# Altium PCB 10515.0500_Display_System（6拼版）_V1.0_20200907.PcbDoc (part 1 of 13)
Units mm, origin at the board's own origin, x right, y up, seen from the top; angles counter-clockwise.
Board outline 157 x 228.4 mm, 4 copper layers (Top Layer, Mid-Layer 1, Mid-Layer 2, Bottom Layer); 516 components, 0 nets, 1971 pads, 894 vias.
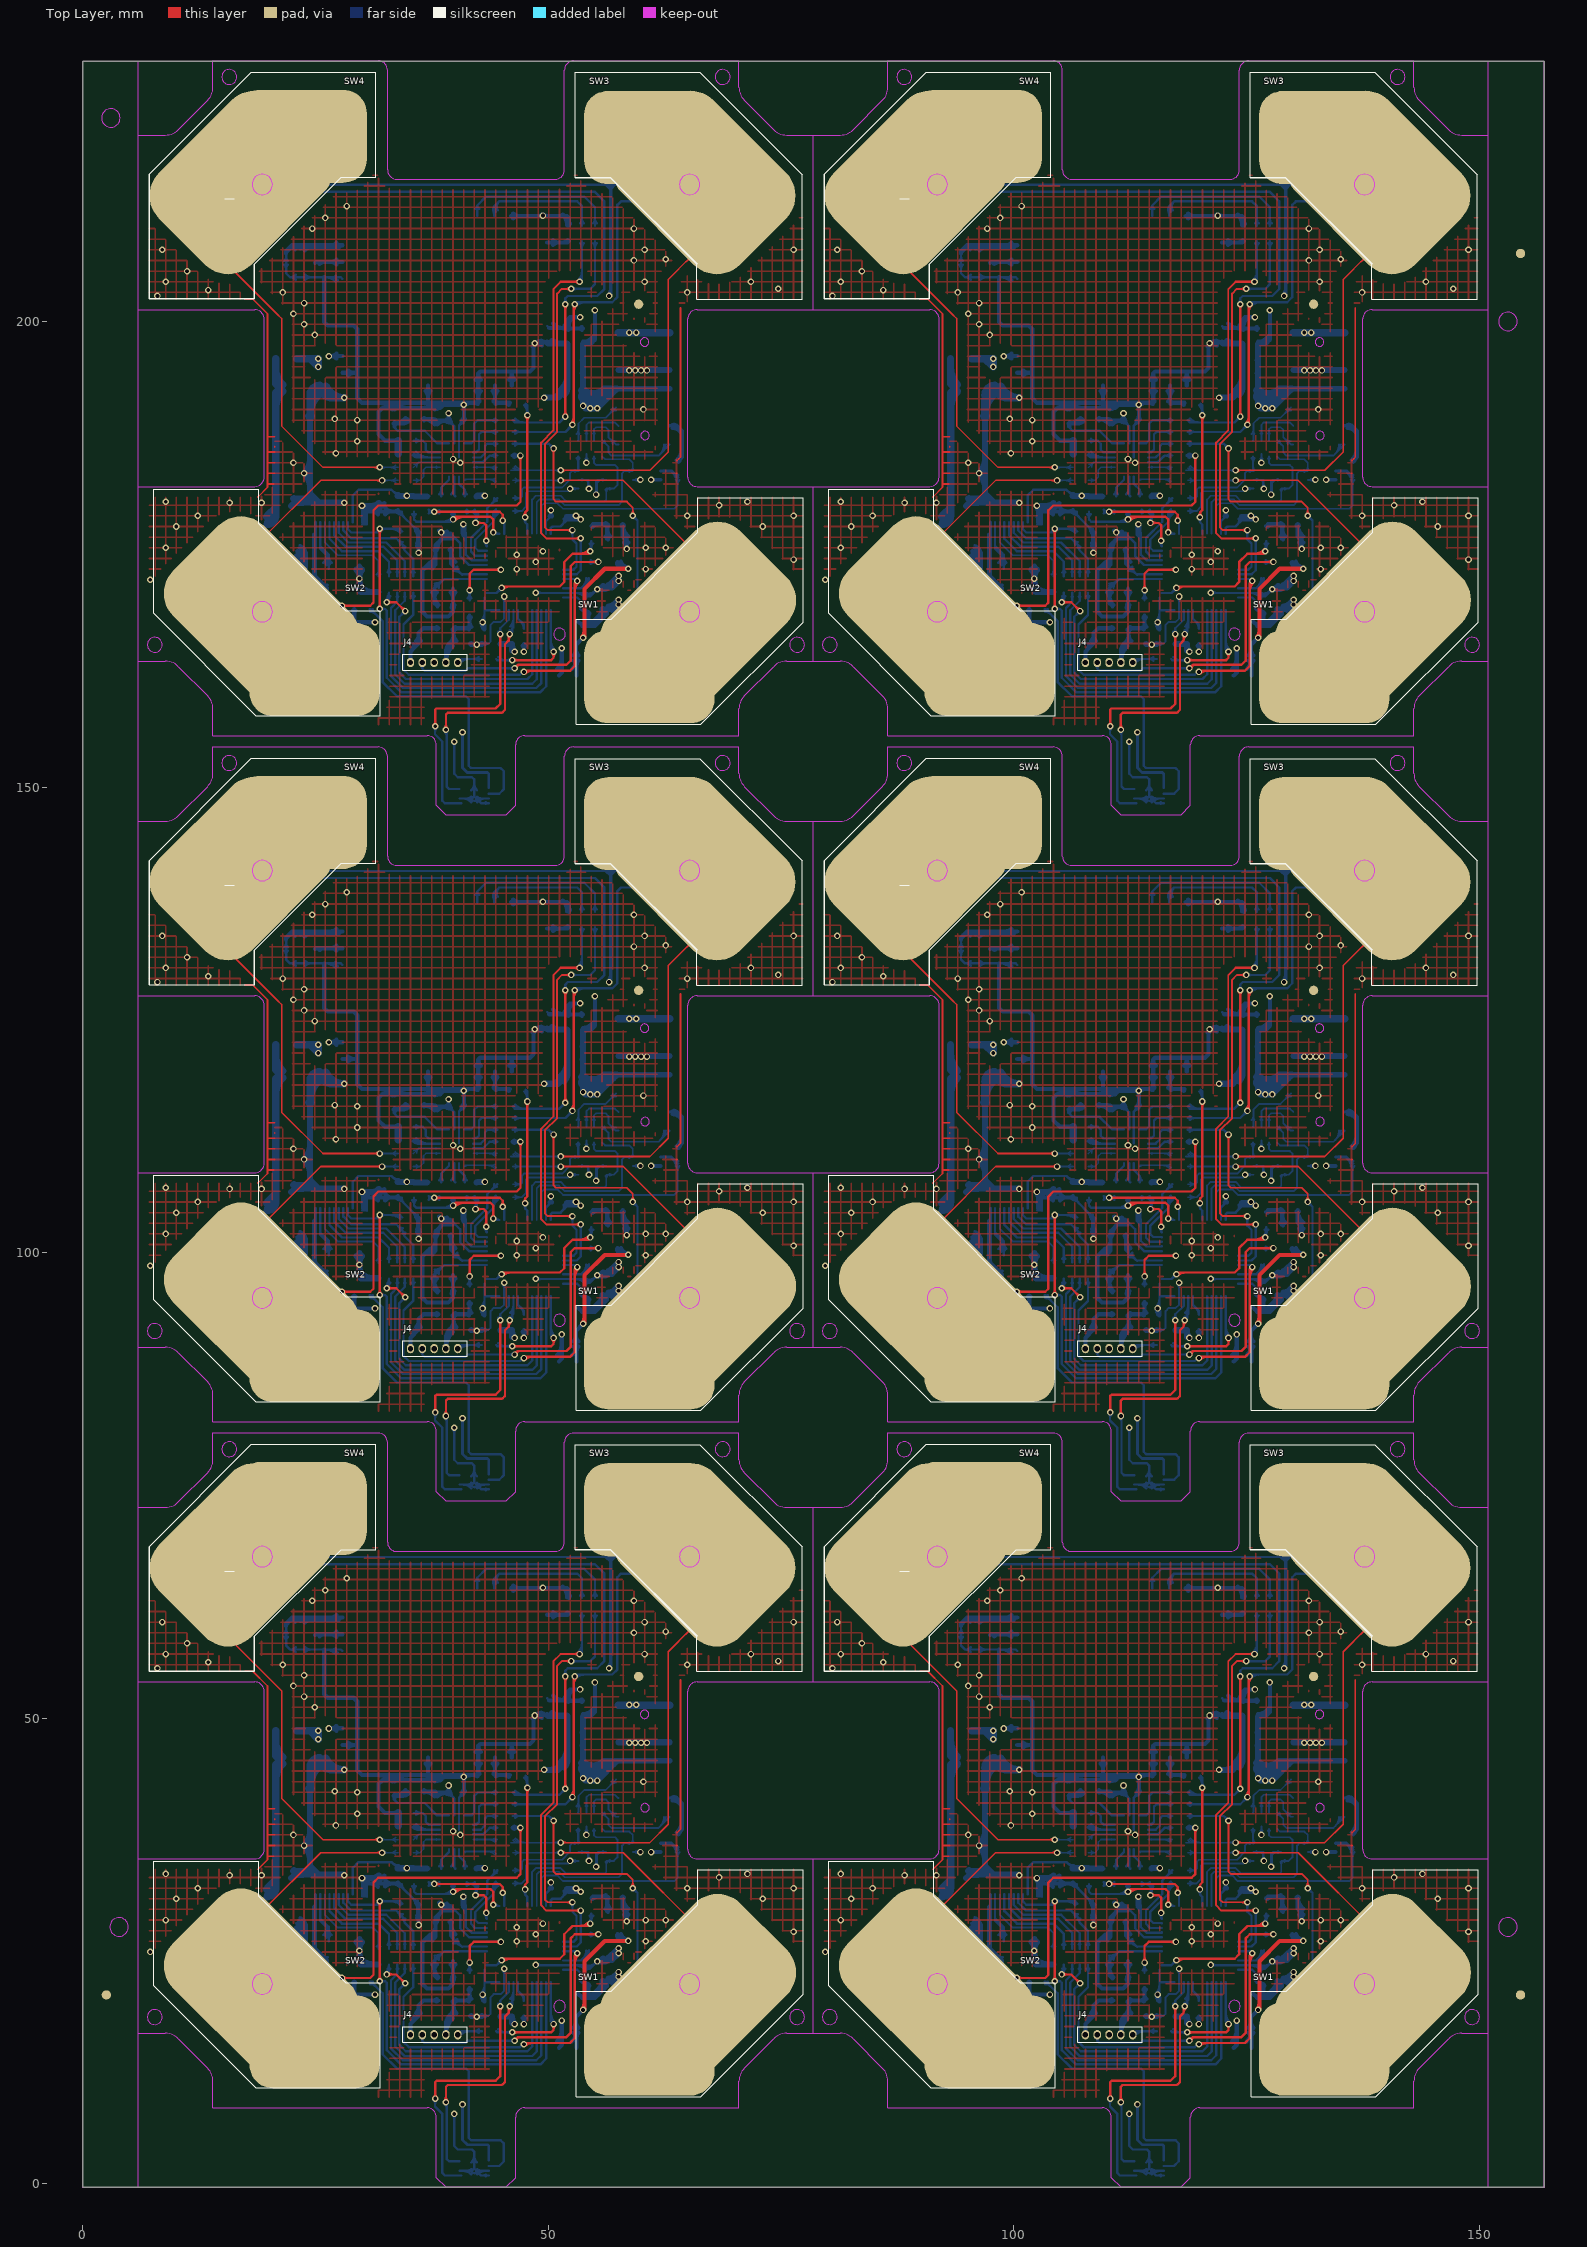
[diagram p0: Top Layer view]
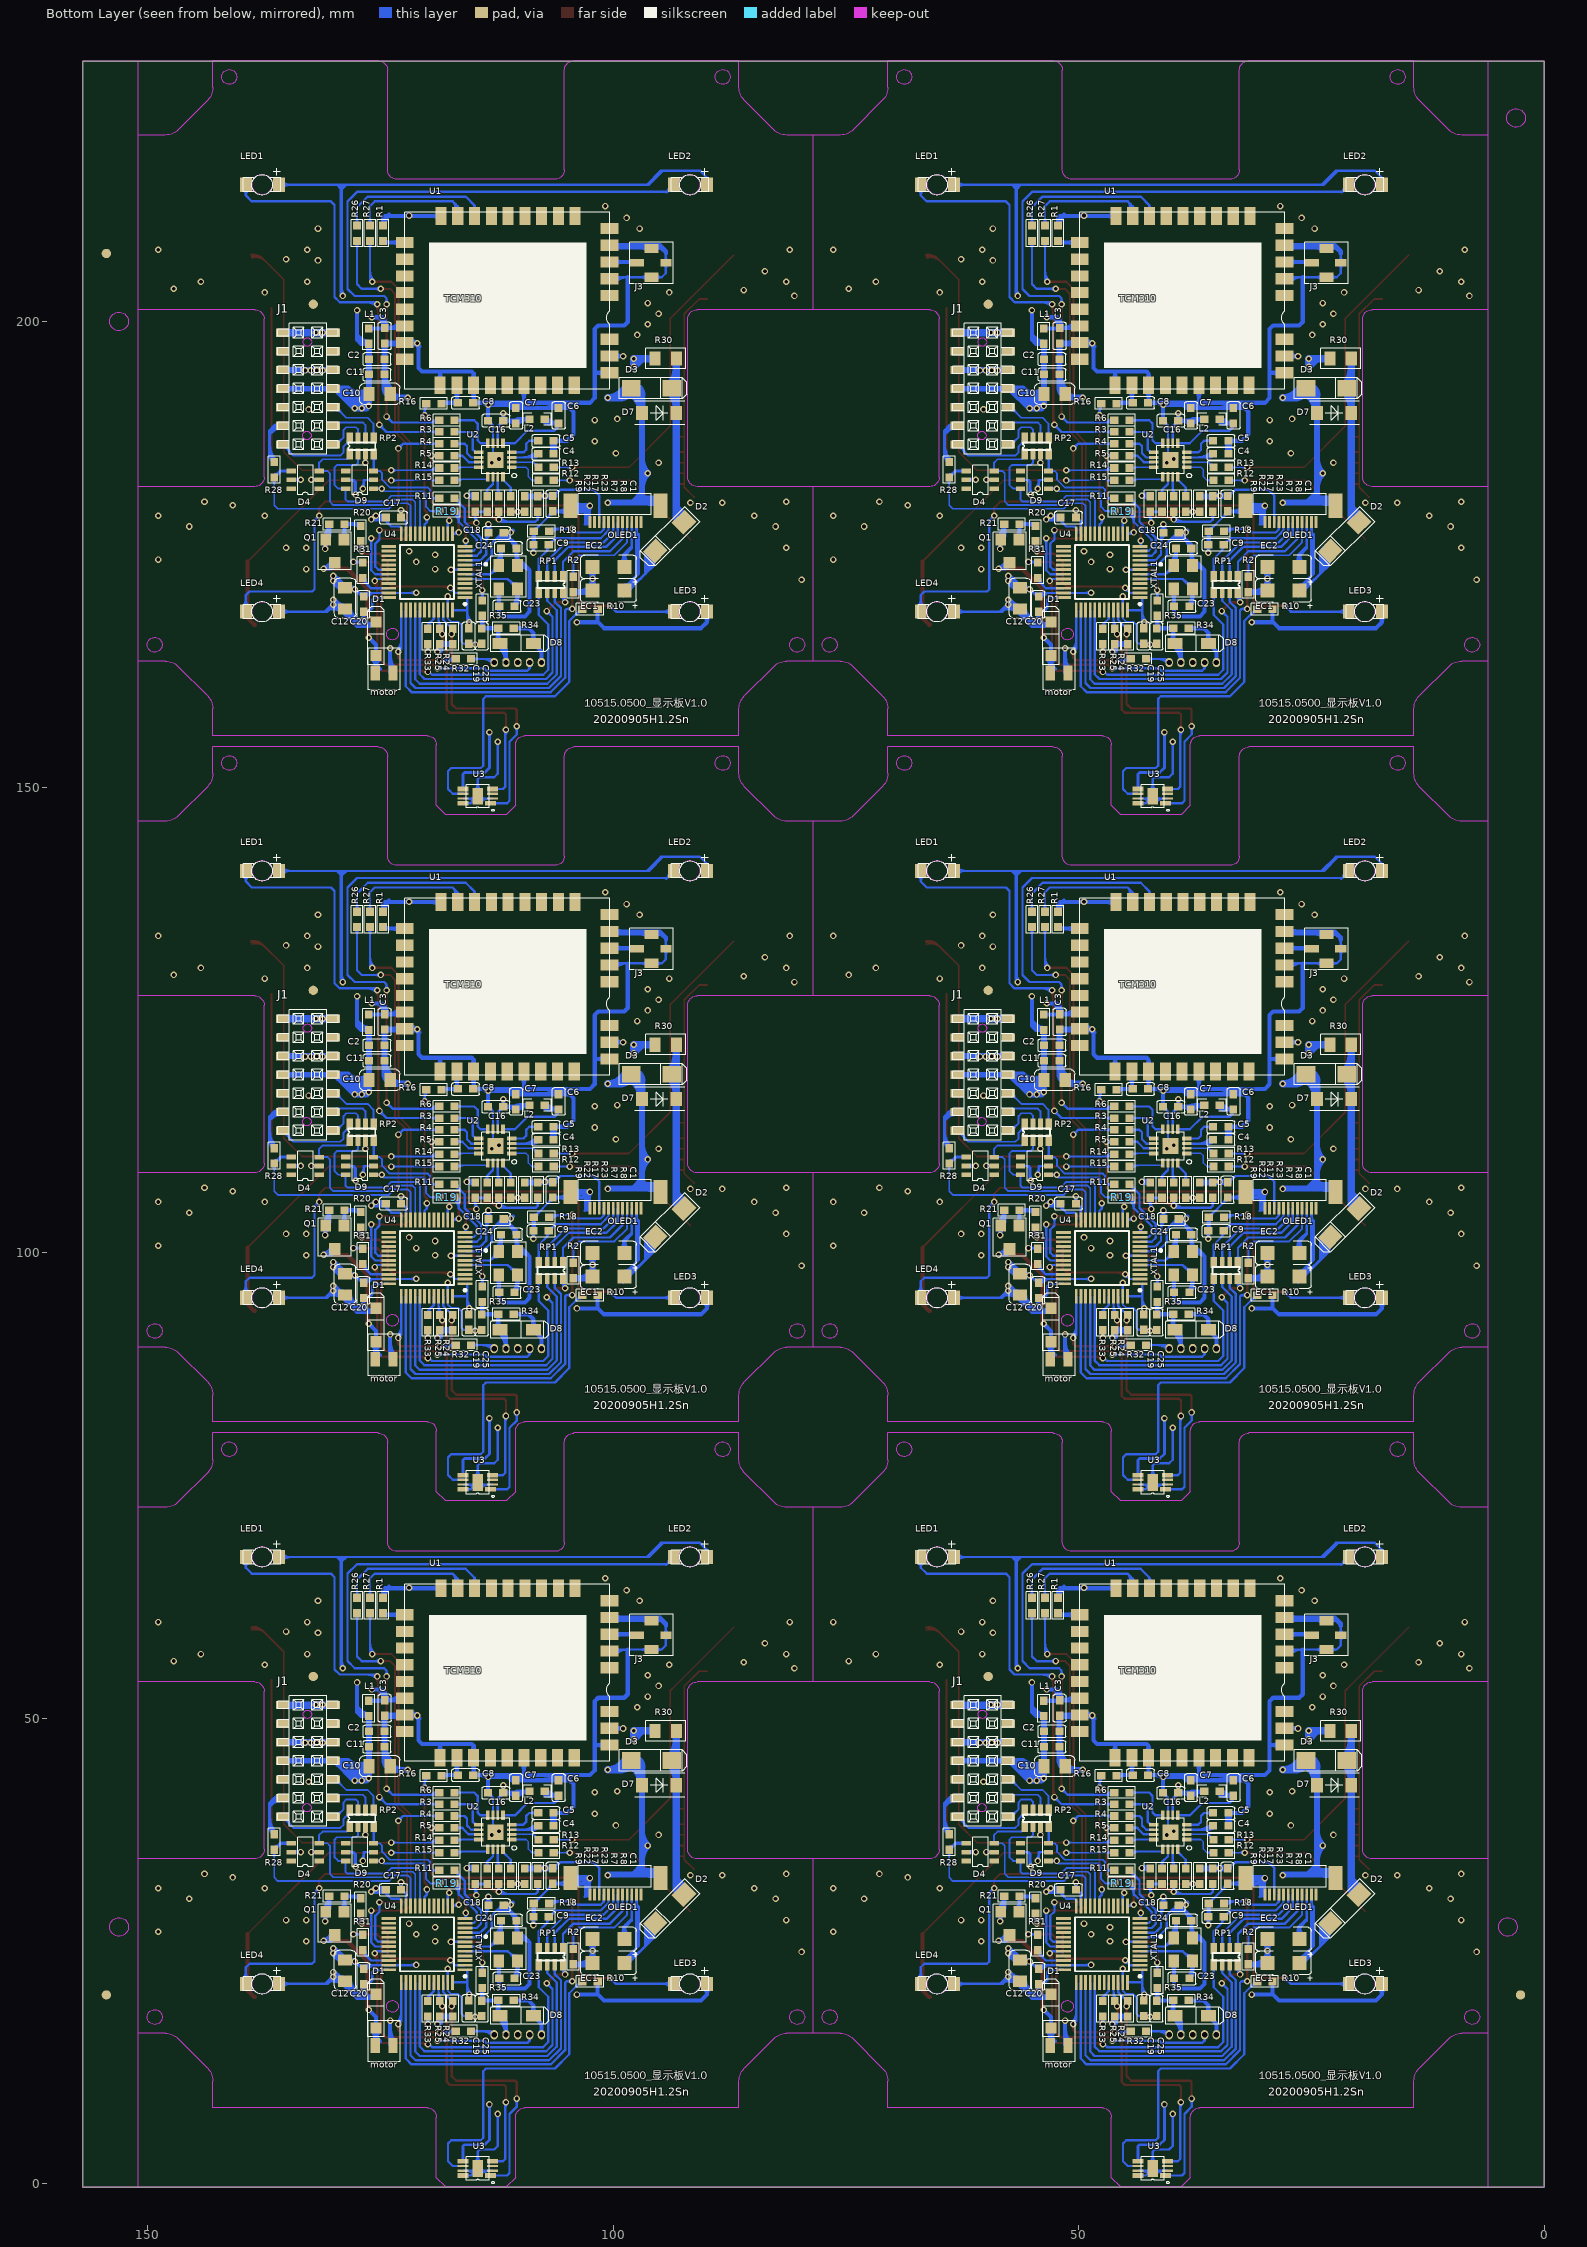
[diagram p1: Bottom Layer view, seen from below]
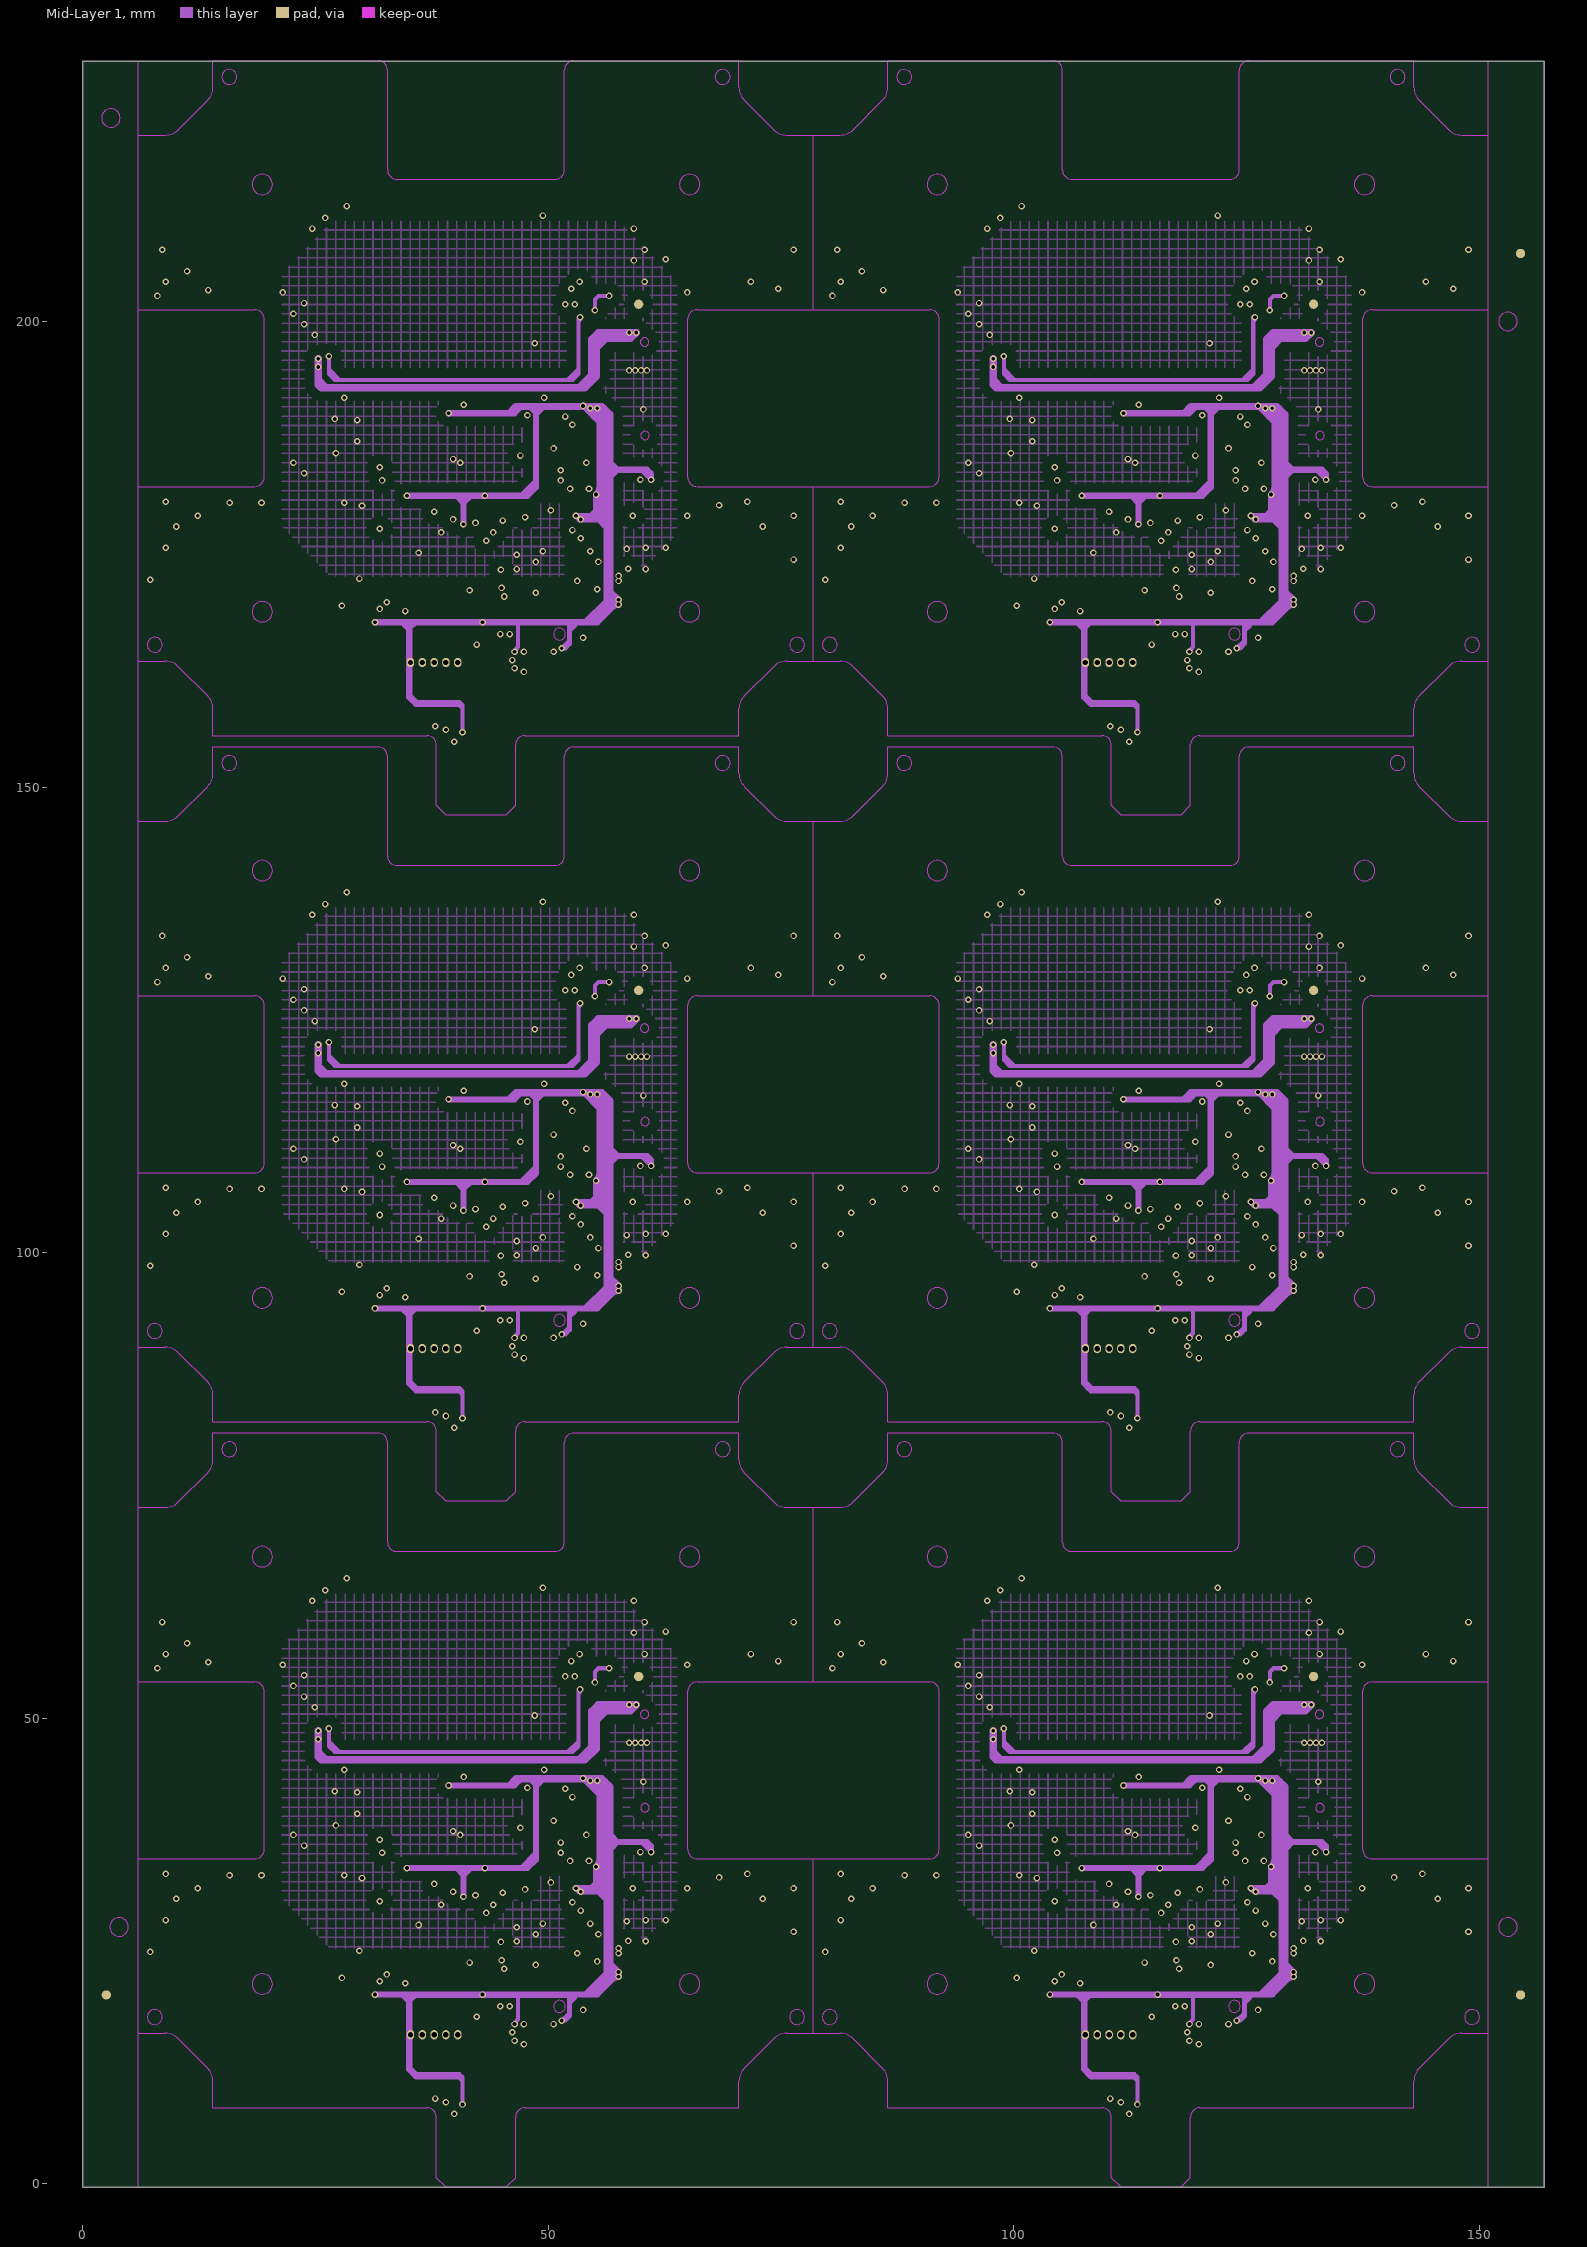
[diagram p2: Mid-Layer 1]
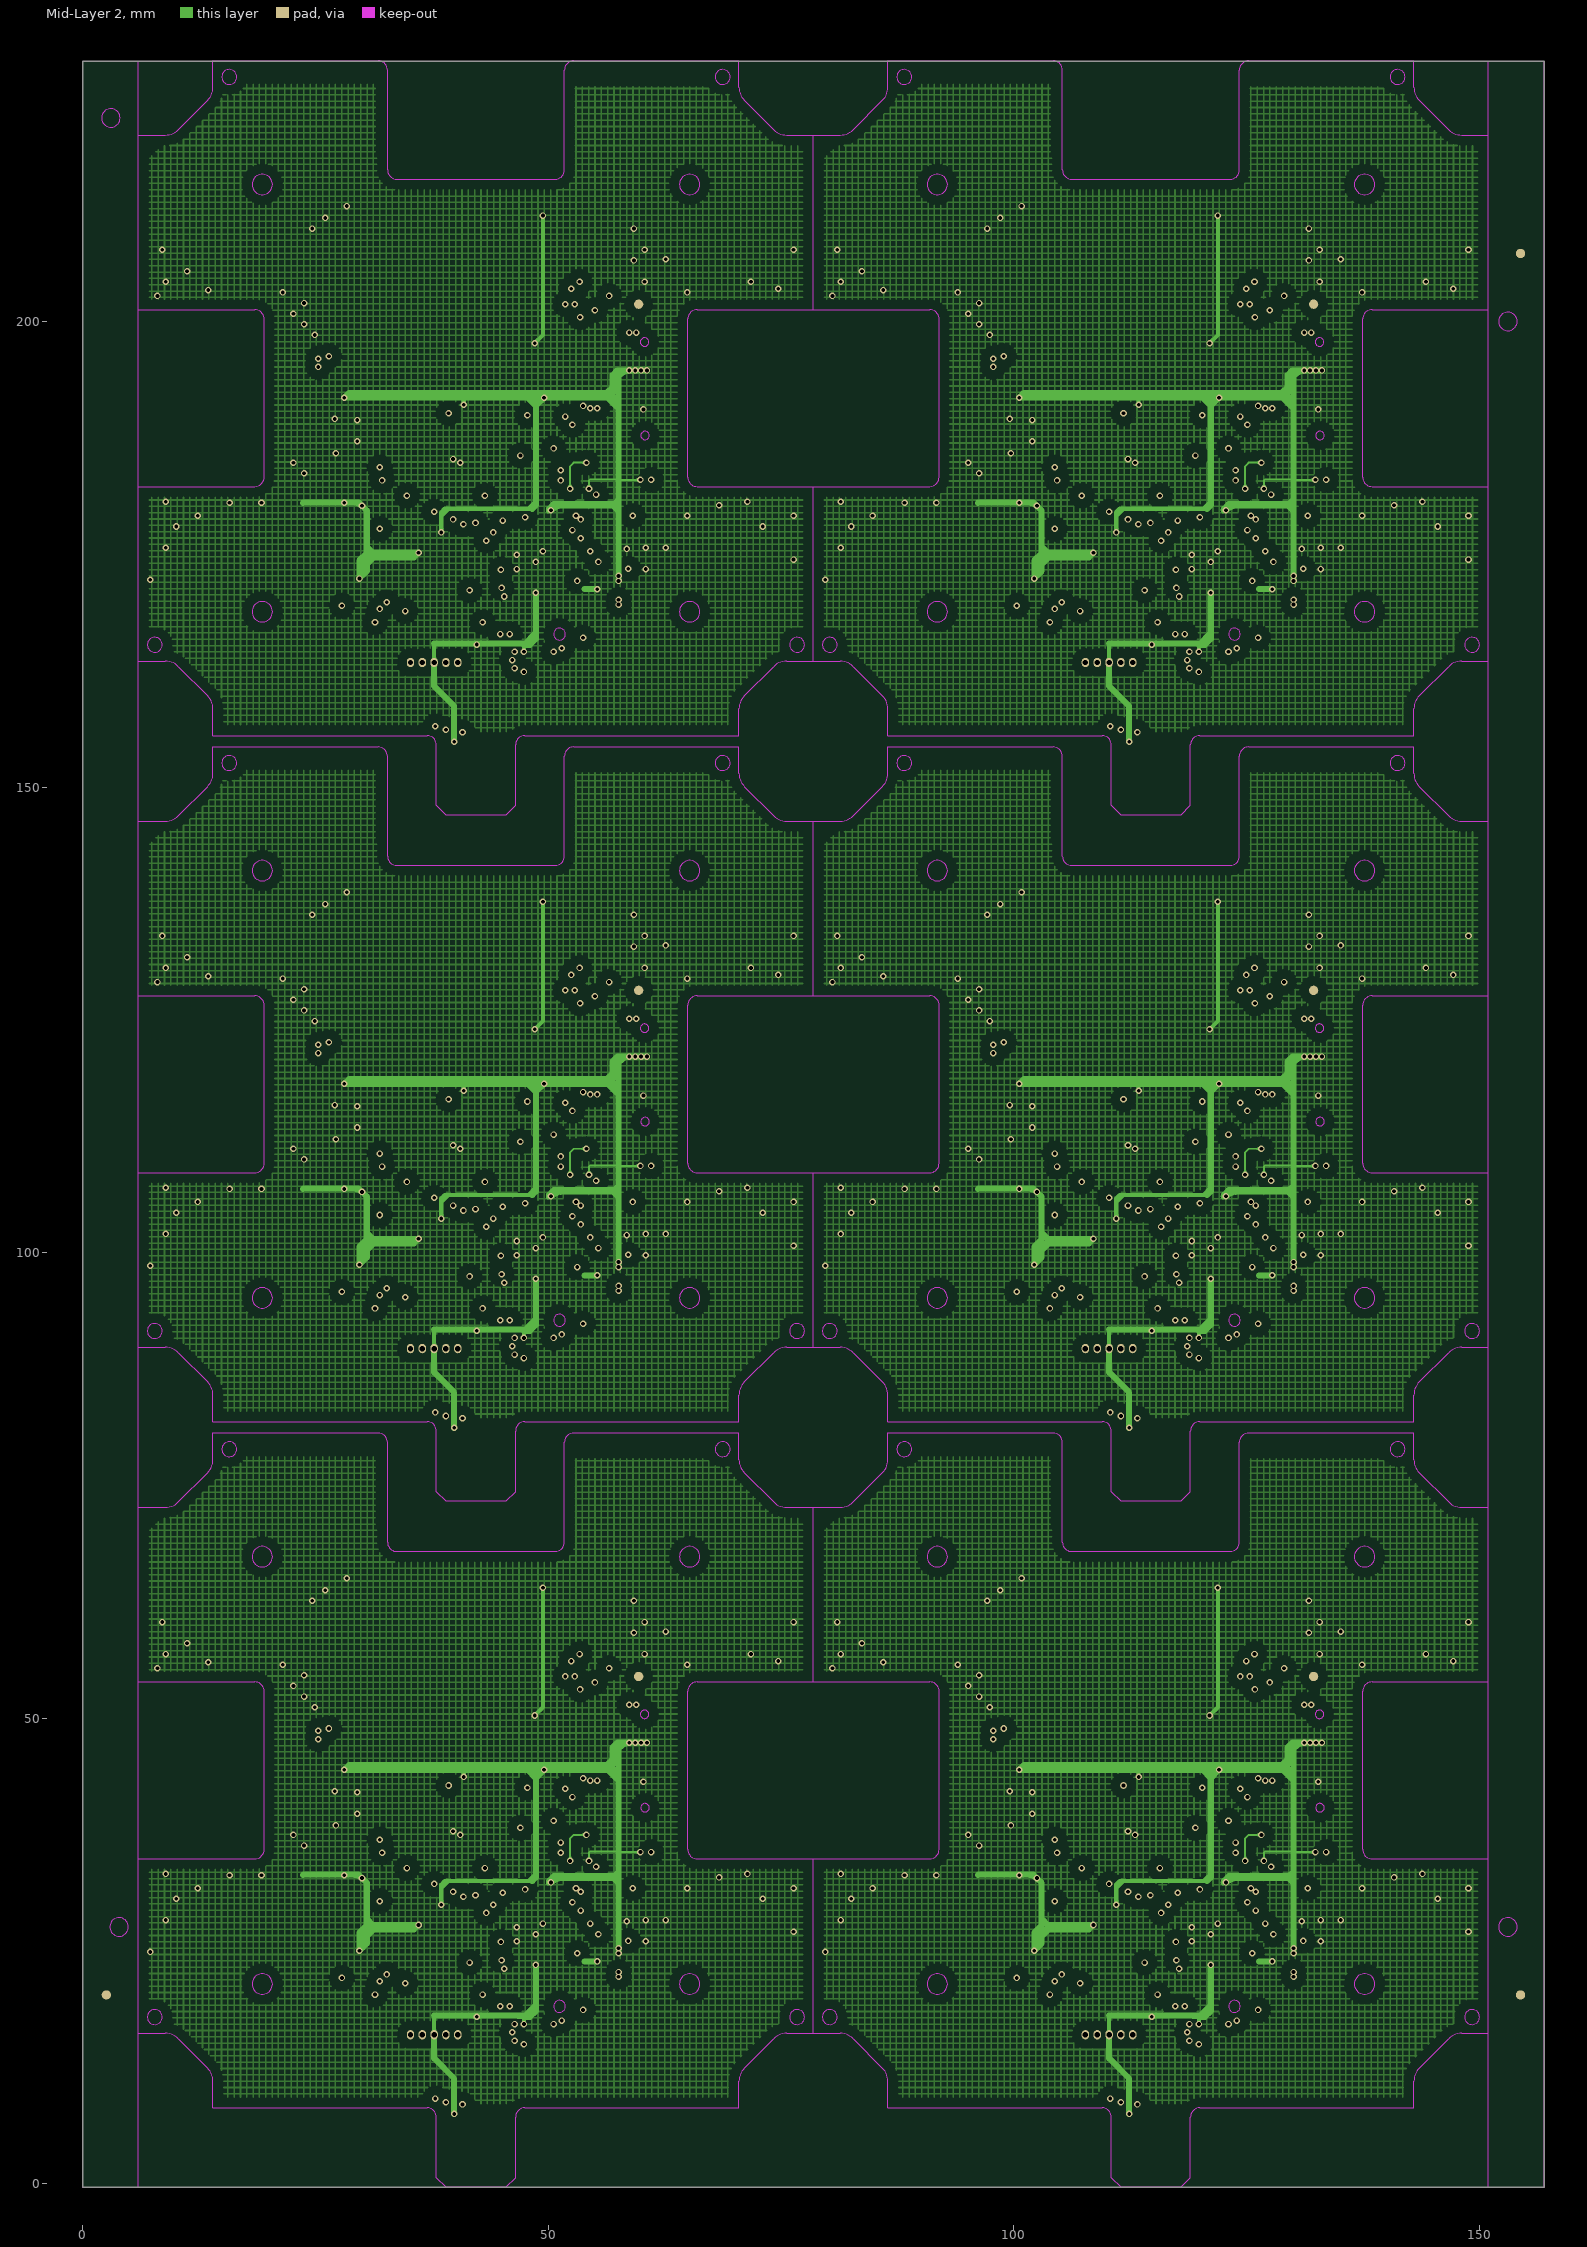
[diagram p3: Mid-Layer 2]

## Layer stack, top to bottom
Top Layer: signal copper 0.0356
Dielectric: dielectric 0.32, FR-4, Dk 4.8
Mid-Layer 1: signal copper 0.0356
Dielectric: dielectric 0.32, FR-4, Dk 4.8
Mid-Layer 2: signal copper 0.0356
Dielectric: dielectric 0.32, FR-4, Dk 4.8
Bottom Layer: signal copper 0.0356

## Board outline
0,228.006 157,228.006 157,-0.394 0,-0.394 0,228.006

## Design rules (kind name [scope] priority, off if disabled: settings)
Clearance [All] p1: gap=0.254
PolygonConnect [All] p1: connectstyle=Relief reliefconductorwidth=0.254 reliefentries=4 polygonreliefangle="90 Angle"
RoutingVias [All] p1: holewidth=0.711 width=1.27 viastyle="Through Hole" minholewidth=0.711 minwidth=1.27 maxholewidth=0.711 maxwidth=1.27
SilkscreenOverComponentPads [IsPad] p1: minsilkscreentomaskgap=0.254
SolderMaskExpansion [All] p1: expansion=0.102
Width [All] p1: maxlimit=0.254 minlimit=0.254 preferedwidth=0.254
27 further rules are at their usual default settings.

## Components (designator, comment, footprint, x,y, rotation, side; value= is the part's Value field where it differs from the comment)
C1 "0.1uF/0603" CAP/SMT/0603C 33.945,179.658 r90 bottom
C1 "0.1uF/0603" CAP/SMT/0603C 33.945,105.958 r90 bottom
C1 "0.1uF/0603" CAP/SMT/0603C 33.945,32.258 r90 bottom
C1 "0.1uF/0603" CAP/SMT/0603C 106.445,179.658 r90 bottom
C1 "0.1uF/0603" CAP/SMT/0603C 106.445,105.958 r90 bottom
C1 "0.1uF/0603" CAP/SMT/0603C 106.445,32.258 r90 bottom
C2 "0.1uF/0603" CAP/SMT/0603C 52.106,196.041 r0 bottom
C2 "0.1uF/0603" CAP/SMT/0603C 52.106,122.341 r0 bottom
C2 "0.1uF/0603" CAP/SMT/0603C 52.106,48.641 r0 bottom
C2 "0.1uF/0603" CAP/SMT/0603C 124.606,196.041 r0 bottom
C2 "0.1uF/0603" CAP/SMT/0603C 124.606,122.341 r0 bottom
C2 "0.1uF/0603" CAP/SMT/0603C 124.606,48.641 r0 bottom
C3 "0.1uF/0603" CAP/SMT/0603C 51.979,197.692 r90 bottom
C3 "0.1uF/0603" CAP/SMT/0603C 51.979,123.992 r90 bottom
C3 "0.1uF/0603" CAP/SMT/0603C 51.979,50.292 r90 bottom
C3 "0.1uF/0603" CAP/SMT/0603C 124.479,197.692 r90 bottom
C3 "0.1uF/0603" CAP/SMT/0603C 124.479,123.992 r90 bottom
C3 "0.1uF/0603" CAP/SMT/0603C 124.479,50.292 r90 bottom
C4 "2.2nF/0603" CAP/SMT/0603C 33.945,185.881 r0 bottom
C4 "2.2nF/0603" CAP/SMT/0603C 33.945,112.181 r0 bottom
C4 "2.2nF/0603" CAP/SMT/0603C 33.945,38.481 r0 bottom
C4 "2.2nF/0603" CAP/SMT/0603C 106.445,185.881 r0 bottom
C4 "2.2nF/0603" CAP/SMT/0603C 106.445,112.181 r0 bottom
C4 "2.2nF/0603" CAP/SMT/0603C 106.445,38.481 r0 bottom
C5 "0.1uF/0603" CAP/SMT/0603C 33.945,187.278 r0 bottom
C5 "0.1uF/0603" CAP/SMT/0603C 33.945,113.578 r0 bottom
C5 "0.1uF/0603" CAP/SMT/0603C 33.945,39.878 r0 bottom
C5 "0.1uF/0603" CAP/SMT/0603C 106.445,187.278 r0 bottom
C5 "0.1uF/0603" CAP/SMT/0603C 106.445,113.578 r0 bottom
C5 "0.1uF/0603" CAP/SMT/0603C 106.445,39.878 r0 bottom
C6 "0.1uF" CAP/SMT/0603C 33.437,190.707 r270 bottom
C6 "0.1uF" CAP/SMT/0603C 33.437,117.007 r270 bottom
C6 "0.1uF" CAP/SMT/0603C 33.437,43.307 r270 bottom
C6 "0.1uF" CAP/SMT/0603C 105.937,190.707 r270 bottom
C6 "0.1uF" CAP/SMT/0603C 105.937,117.007 r270 bottom
C6 "0.1uF" CAP/SMT/0603C 105.937,43.307 r270 bottom
C7 "0.1uF/0603" CAP/SMT/0603C 38.009,190.707 r270 bottom
C7 "0.1uF/0603" CAP/SMT/0603C 38.009,117.007 r270 bottom
C7 "0.1uF/0603" CAP/SMT/0603C 38.009,43.307 r270 bottom
C7 "0.1uF/0603" CAP/SMT/0603C 110.509,190.707 r270 bottom
C7 "0.1uF/0603" CAP/SMT/0603C 110.509,117.007 r270 bottom
C7 "0.1uF/0603" CAP/SMT/0603C 110.509,43.307 r270 bottom
C8 "0.1uF" CAP/SMT/0603C 42.581,191.342 r0 bottom
C8 "0.1uF" CAP/SMT/0603C 42.581,117.642 r0 bottom
C8 "0.1uF" CAP/SMT/0603C 42.581,43.942 r0 bottom
C8 "0.1uF" CAP/SMT/0603C 115.081,191.342 r0 bottom
C8 "0.1uF" CAP/SMT/0603C 115.081,117.642 r0 bottom
C8 "0.1uF" CAP/SMT/0603C 115.081,43.942 r0 bottom
C9 "0.1uF" CAP/SMT/0603C 34.453,176.102 r0 bottom
C9 "0.1uF" CAP/SMT/0603C 34.453,102.402 r0 bottom
C9 "0.1uF" CAP/SMT/0603C 34.453,28.702 r0 bottom
C9 "0.1uF" CAP/SMT/0603C 106.953,176.102 r0 bottom
C9 "0.1uF" CAP/SMT/0603C 106.953,102.402 r0 bottom
C9 "0.1uF" CAP/SMT/0603C 106.953,28.702 r0 bottom
C10 "22uF/0805" CAP/SMT/0805C 53.757,192.231 r180 bottom
C10 "22uF/0805" CAP/SMT/0805C 53.757,118.531 r180 bottom
C10 "22uF/0805" CAP/SMT/0805C 53.757,44.831 r180 bottom
C10 "22uF/0805" CAP/SMT/0805C 126.257,192.231 r180 bottom
C10 "22uF/0805" CAP/SMT/0805C 126.257,118.531 r180 bottom
C10 "22uF/0805" CAP/SMT/0805C 126.257,44.831 r180 bottom
C11 "1uF/0603" CAP/SMT/0603C 52.106,194.39 r0 bottom
C11 "1uF/0603" CAP/SMT/0603C 52.106,120.69 r0 bottom
C11 "1uF/0603" CAP/SMT/0603C 52.106,46.99 r0 bottom
C11 "1uF/0603" CAP/SMT/0603C 124.606,194.39 r0 bottom
C11 "1uF/0603" CAP/SMT/0603C 124.606,120.69 r0 bottom
C11 "1uF/0603" CAP/SMT/0603C 124.606,46.99 r0 bottom
C12 "22uF/0805" CAP/SMT/0805C 56.297,169.141 r90 bottom
C12 "22uF/0805" CAP/SMT/0805C 56.297,95.441 r90 bottom
C12 "22uF/0805" CAP/SMT/0805C 56.297,21.741 r90 bottom
C12 "22uF/0805" CAP/SMT/0805C 128.797,169.141 r90 bottom
C12 "22uF/0805" CAP/SMT/0805C 128.797,95.441 r90 bottom
C12 "22uF/0805" CAP/SMT/0805C 128.797,21.741 r90 bottom
C16 "0.1uF/0603" CAP/SMT/0603C 39.33,189.437 r0 bottom
C16 "0.1uF/0603" CAP/SMT/0603C 39.33,115.737 r0 bottom
C16 "0.1uF/0603" CAP/SMT/0603C 39.33,42.037 r0 bottom
C16 "0.1uF/0603" CAP/SMT/0603C 111.83,189.437 r0 bottom
C16 "0.1uF/0603" CAP/SMT/0603C 111.83,115.737 r0 bottom
C16 "0.1uF/0603" CAP/SMT/0603C 111.83,42.037 r0 bottom
C17 "0.1uF/0603" CAP/SMT/0603C 50.328,179.023 r0 bottom
C17 "0.1uF/0603" CAP/SMT/0603C 50.328,105.323 r0 bottom
C17 "0.1uF/0603" CAP/SMT/0603C 50.328,31.623 r0 bottom
C17 "0.1uF/0603" CAP/SMT/0603C 122.828,179.023 r0 bottom
C17 "0.1uF/0603" CAP/SMT/0603C 122.828,105.323 r0 bottom
C17 "0.1uF/0603" CAP/SMT/0603C 122.828,31.623 r0 bottom
C18 "1uF/0603" CAP/SMT/0603C 39.279,177.372 r0 bottom
C18 "1uF/0603" CAP/SMT/0603C 39.279,103.672 r0 bottom
C18 "1uF/0603" CAP/SMT/0603C 39.279,29.972 r0 bottom
C18 "1uF/0603" CAP/SMT/0603C 111.779,177.372 r0 bottom
C18 "1uF/0603" CAP/SMT/0603C 111.779,103.672 r0 bottom
C18 "1uF/0603" CAP/SMT/0603C 111.779,29.972 r0 bottom
C19 "0.1uF/0603" CAP/SMT/0603C 42.962,165.444 r90 bottom
C19 "0.1uF/0603" CAP/SMT/0603C 42.962,91.744 r90 bottom
C19 "0.1uF/0603" CAP/SMT/0603C 42.962,18.044 r90 bottom
C19 "0.1uF/0603" CAP/SMT/0603C 115.462,165.444 r90 bottom
C19 "0.1uF/0603" CAP/SMT/0603C 115.462,91.744 r90 bottom
C19 "0.1uF/0603" CAP/SMT/0603C 115.462,18.044 r90 bottom
C20 "0.1uF/0603" CAP/SMT/0603C 54.265,168.863 r90 bottom
C20 "0.1uF/0603" CAP/SMT/0603C 54.265,95.163 r90 bottom
C20 "0.1uF/0603" CAP/SMT/0603C 54.265,21.463 r90 bottom
C20 "0.1uF/0603" CAP/SMT/0603C 126.765,168.863 r90 bottom
C20 "0.1uF/0603" CAP/SMT/0603C 126.765,95.163 r90 bottom
C20 "0.1uF/0603" CAP/SMT/0603C 126.765,21.463 r90 bottom
C23 "20pF/0603" CAP/SMT/0603C 38.136,169.498 r0 bottom
C23 "20pF/0603" CAP/SMT/0603C 38.136,95.798 r0 bottom